# Altium PCB MODULE_4x100_Fx_V1.0.PcbDoc (part 1 of 3) (continued)
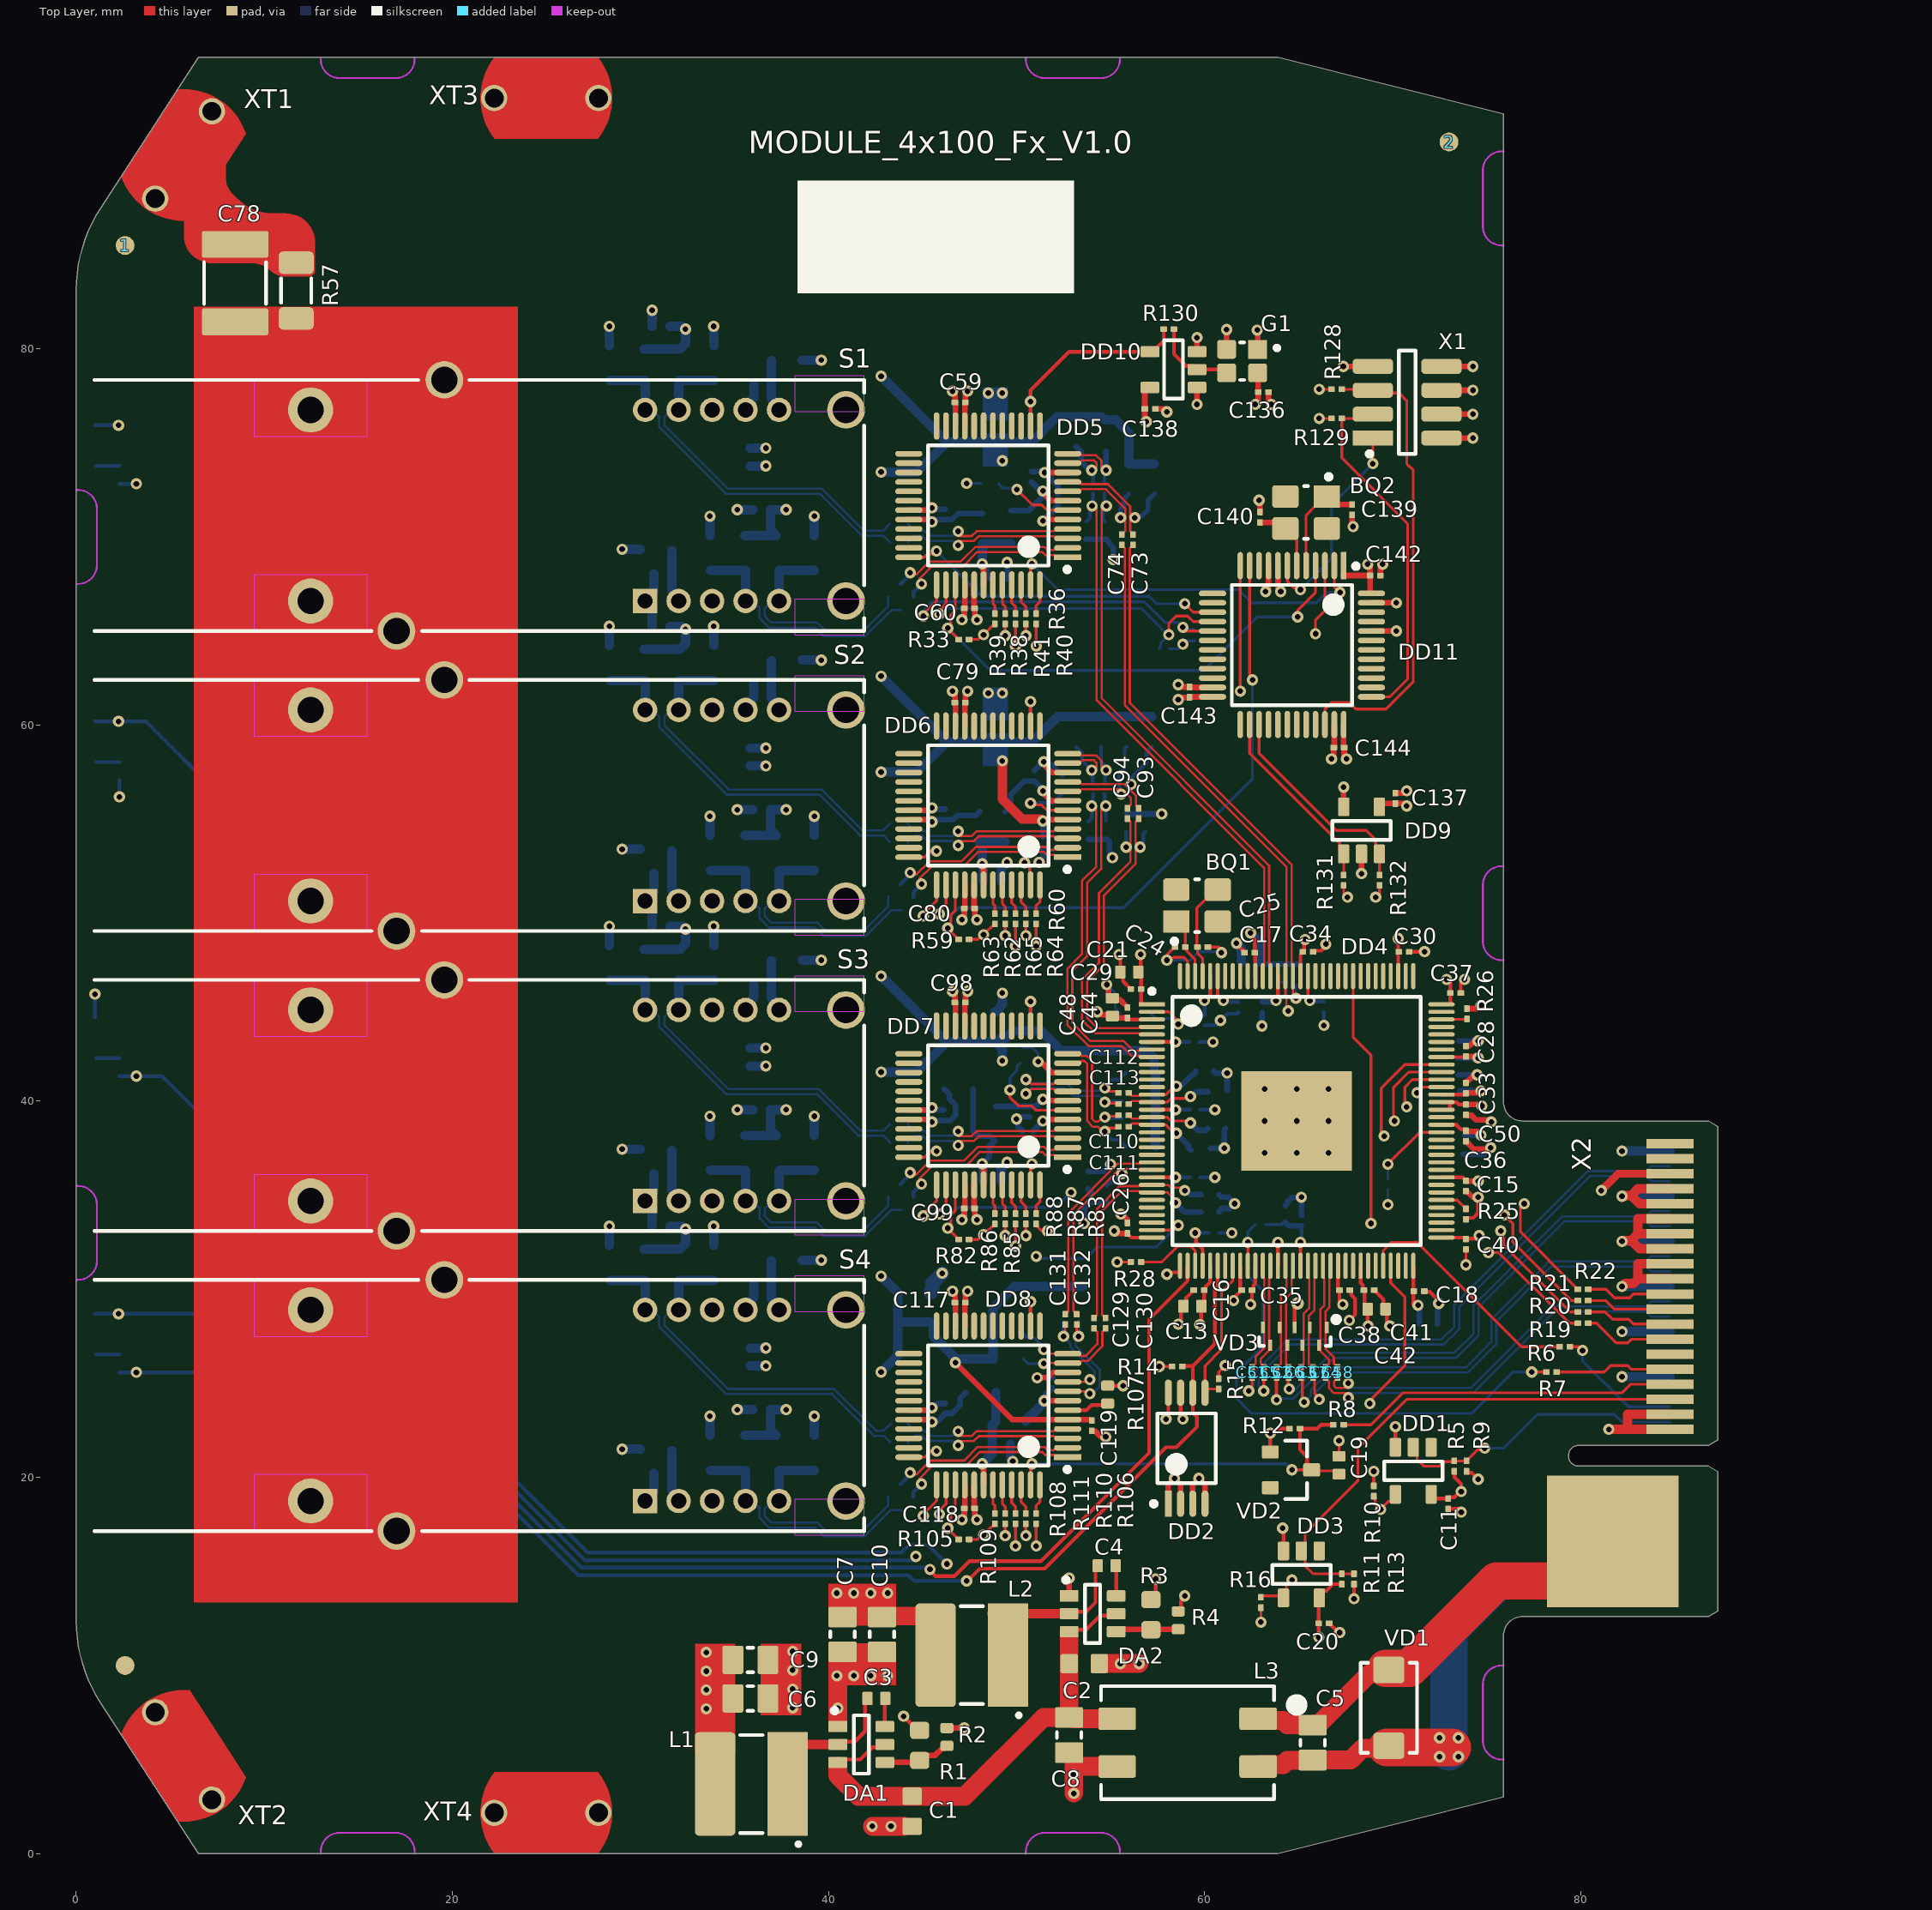
[diagram p0: Top Layer view]
## Components (designator, comment, footprint, x,y, rotation, side; value= is the part's Value field where it differs from the comment) (continued)
C71 "0,1 мкФ" CAP0201(0603x03)N 54.68,72.6 r90 bottom
C72 "0,1 мкФ" CAP0201(0603x03)N 54.08,72.6 r90 bottom
C73 "0,1 мкФ" CAP0201(0603x03)N 56.2,69.85 r90 top
C74 "0,1 мкФ" CAP0201(0603x03)N 55.6,69.85 r90 top
C75 "2,2 мкФ" CAP0402(1005x05)N 35.85,74.25 r90 bottom
C76 "0,1 мкФ" CAP0402(1005x05)N 31.2,68.05 r180 bottom
C77 "0,1 мкФ" CAP0402(1005x05)N 36.5,78.1 r0 bottom
C78 "2200 пФ 4 кВ" CAP1812(4532x25)N 8.45,83.5 r90 top
C79 "0,1 мкФ" CAP0201(0603x03)N 47,61.2 r180 top
C80 "0,1 мкФ" CAP0201(0603x03)N 47.5,50.25 r180 top
C81 "0,1 мкФ" CAP0201(0603x03)N 51.4,53.75 r90 bottom
C82 "0,1 мкФ" CAP0402(1005x05)N 43.75,54.75 r0 bottom
C83 "0,1 мкФ" CAP0402(1005x05)N 43.75,53.75 r0 bottom
C84 "0,1 мкФ" CAP0402(1005x05)N 43.509,51.209 r45 bottom
C85 "0,1 мкФ" CAP0402(1005x05)N 44.216,50.501 r45 bottom
C86 "0,1 мкФ" CAP0402(1005x05)N 36.45,55.5 r180 bottom
C87 "0,1 мкФ" CAP0402(1005x05)N 31.1,65.25 r180 bottom
C88 "0,1 мкФ" CAP0201(0603x03)N 50.95,57.3 r90 bottom
C89 "0,1 мкФ" CAP0201(0603x03)N 46.2,55.25 r90 bottom
C90 "10 мкФ" CAP0402(1005x05)N 48.7,51.7 r180 bottom
C91 "0,1 мкФ" CAP0201(0603x03)N 54.68,56.7 r90 bottom
C92 "0,1 мкФ" CAP0201(0603x03)N 54.08,56.7 r90 bottom
C93 "0,1 мкФ" CAP0201(0603x03)N 56.5,55.3 r90 top
C94 "0,1 мкФ" CAP0201(0603x03)N 55.9,55.3 r90 top
C95 "2,2 мкФ" CAP0402(1005x05)N 35.85,58.3 r90 bottom
C96 "0,1 мкФ" CAP0402(1005x05)N 31.2,52.1 r180 bottom
C97 "0,1 мкФ" CAP0402(1005x05)N 36.5,62.15 r0 bottom
C98 "0,1 мкФ" CAP0201(0603x03)N 47,45.25 r180 top
C99 "0,1 мкФ" CAP0201(0603x03)N 47.5,34.3 r180 top
C100 "0,1 мкФ" CAP0201(0603x03)N 50.6,38.4 r0 bottom
C101 "0,1 мкФ" CAP0402(1005x05)N 43.75,38.8 r0 bottom
C102 "0,1 мкФ" CAP0402(1005x05)N 43.75,37.8 r0 bottom
C103 "0,1 мкФ" CAP0402(1005x05)N 43.509,35.259 r45 bottom
C104 "0,1 мкФ" CAP0402(1005x05)N 44.216,34.551 r45 bottom
C105 "0,1 мкФ" CAP0402(1005x05)N 36.45,39.55 r180 bottom
C106 "0,1 мкФ" CAP0402(1005x05)N 31.1,49.3 r180 bottom
C107 "0,1 мкФ" CAP0201(0603x03)N 50.7,39.45 r270 bottom
C108 "0,1 мкФ" CAP0201(0603x03)N 46.15,39.25 r90 bottom
C109 "10 мкФ" CAP0402(1005x05)N 48.7,35.8 r180 bottom
C110 "0,1 мкФ" CAP0201(0603x03)N 55.7,39.25 r180 top
C111 "0,1 мкФ" CAP0201(0603x03)N 55.7,38.65 r180 top
C112 "0,1 мкФ" CAP0201(0603x03)N 55.7,40.45 r180 top
C113 "0,1 мкФ" CAP0201(0603x03)N 55.7,39.85 r180 top
C114 "2,2 мкФ" CAP0402(1005x05)N 35.85,42.35 r90 bottom
C115 "0,1 мкФ" CAP0402(1005x05)N 31.2,36.15 r180 bottom
C116 "0,1 мкФ" CAP0402(1005x05)N 36.5,46.2 r0 bottom
C117 "0,1 мкФ" CAP0201(0603x03)N 47,29.3 r180 top
C118 "0,1 мкФ" CAP0201(0603x03)N 47.5,18.35 r180 top
C119 "0,1 мкФ" CAP0201(0603x03)N 54,22.75 r90 top
C120 "0,1 мкФ" CAP0402(1005x05)N 43.75,22.85 r0 bottom
C121 "0,1 мкФ" CAP0402(1005x05)N 43.75,21.85 r0 bottom
C122 "0,1 мкФ" CAP0402(1005x05)N 43.509,19.309 r45 bottom
C123 "0,1 мкФ" CAP0402(1005x05)N 44.216,18.601 r45 bottom
C124 "0,1 мкФ" CAP0402(1005x05)N 31.1,33.35 r180 bottom
C125 "0,1 мкФ" CAP0402(1005x05)N 36.45,23.6 r180 bottom
C126 "0,1 мкФ" CAP0201(0603x03)N 51.9,25.025 r90 bottom
C127 "0,1 мкФ" CAP0201(0603x03)N 46.2,23.65 r90 bottom
C128 "10 мкФ" CAP0402(1005x05)N 49.2,21.75 r180 bottom
C129 "0,1 мкФ" CAP0201(0603x03)N 54.13,28.2 r270 top
C130 "0,1 мкФ" CAP0201(0603x03)N 54.73,28.2 r270 top
C131 "0,1 мкФ" CAP0201(0603x03)N 52.6,28.4 r270 top
C132 "0,1 мкФ" CAP0201(0603x03)N 53.2,28.4 r270 top
C133 "2,2 мкФ" CAP0402(1005x05)N 35.85,26.4 r90 bottom
C134 "0,1 мкФ" CAP0402(1005x05)N 31.2,20.2 r180 bottom
C135 "0,1 мкФ" CAP0402(1005x05)N 36.5,30.25 r0 bottom
C136 "0,1 мкФ" CAP0201(0603x03)N 63.125,77.7 r180 top
C137 "0,1 мкФ" CAP0201(0603x03)N 70.15,56.1 r270 top
C138 "0,1 мкФ" CAP0201(0603x03)N 57.1,76.8 r180 top
C139 "22 пФ" CAP0201(0603x03)N 67.85,71.45 r90 top
C140 "22 пФ" CAP0201(0603x03)N 62.95,71.05 r270 top
C141 "0,1 мкФ" CAP0201(0603x03)N 63.65,67.8 r180 bottom
C142 "0,1 мкФ" CAP0201(0603x03)N 69.075,67.95 r180 top
C143 "0,1 мкФ" CAP0201(0603x03)N 59.2,61.75 r270 top
C144 "0,1 мкФ" CAP0201(0603x03)N 67.15,58.8 r0 top
DA1 "TPS563209DDC" SOT23-6 41.75,5.8 r0 top
DA2 "TPS563209DDC" SOT23-6 54.05,12.75 r0 top
DD1 "SN74LVC1G07DBV" SOT23-5 71.1,20.35 r270 top
DD2 "M24C64-WDW" TSSOP-8 59.05,21.55 r90 top
DD3 "SN74LVC1G07DBV" SOT23-5 65.15,14.84 r270 top
DD4 "88E6240" TQFP-128-0,4e_5,89x5,31mm-EP 64.9,38.95 r0 top locked
DD5 "KSZ8863FLLI" LQFP-48 48.5,71.675 r180 top locked
DD6 "KSZ8863FLLI" LQFP-48 48.5,55.725 r180 top locked
DD7 "KSZ8863FLLI" LQFP-48 48.5,39.775 r180 top locked
DD8 "KSZ8863FLLI" LQFP-48 48.5,23.825 r180 top locked
DD9 "24AA64T-I/OT" "SOT23-5 (2,9x2,8x1,45)" 68.35,54.4 r90 top
DD10 "SN74LVC1G126DBVR" "SOT23-5 (2,9x2,8x1,45)" 58.35,78.9 r180 top
DD11 "STM32F070CBT6" LQFP-48 64.65,64.25 r270 top locked
G1 "25 МГц" NZ2520S 62,79.35 r180 top
HL1 "KPA-2106CGCK (зелёный)" 2110x0,6-SMD-LED-GN 1,74.887 r270 bottom locked
HL2 "KPA-2106CGCK (зелёный)" 2110x0,6-SMD-LED-GN 1,59.147 r270 bottom locked
HL3 "KPA-2106CGCK (зелёный)" 2110x0,6-SMD-LED-GN 1,43.397 r270 bottom locked
HL4 "KPA-2106CGCK (зелёный)" 2110x0,6-SMD-LED-GN 1,27.647 r270 bottom locked
L1 "3,3 мкГн" WE-PD2-5848 35.9,3.7 r180 top
L2 "3,3 мкГн" WE-PD2-5848 47.625,10.55 r180 top
L3 "WE-SL2 744226" WE-SL2 59.1,5.9 r180 top
L4 "WE-CBF 742792625" EMI0603N 48.85,75.85 r90 bottom value=BLM18PG121SN1D
L5 "WE-CBF 742792625" EMI0603N 48.2,70.45 r270 bottom value=BLM18PG121SN1D
L6 "WE-CBF 742792625" EMI0603N 49.7,70.45 r270 bottom value=BLM18PG121SN1D
L7 "WE-CBF 742792625" EMI0603N 30.8,69.35 r180 bottom value=BLM18PG121SN1D
L8 "WE-CBF 742792625" EMI0603N 37.8,79.4 r0 bottom value=BLM18PG121SN1D
L9 "WE-CBF 742792625" EMI0603N 48.85,59.9 r90 bottom value=BLM18PG121SN1D
L10 "WE-CBF 742792625" EMI0603N 48.05,54.6 r270 bottom value=BLM18PG121SN1D
L11 "WE-CBF 742792625" EMI0603N 49.4,54.6 r270 bottom value=BLM18PG121SN1D
L12 "WE-CBF 742792625" EMI0603N 30.8,53.4 r180 bottom value=BLM18PG121SN1D
L13 "WE-CBF 742792625" EMI0603N 37.8,63.45 r0 bottom value=BLM18PG121SN1D
L14 "WE-CBF 742792625" EMI0603N 48.85,43.95 r90 bottom value=BLM18PG121SN1D
L15 "WE-CBF 742792625" EMI0603N 46.95,40.65 r0 bottom value=BLM18PG121SN1D
L16 "WE-CBF 742792625" EMI0603N 48.85,38.7 r270 bottom value=BLM18PG121SN1D
L17 "WE-CBF 742792625" EMI0603N 30.8,37.45 r180 bottom value=BLM18PG121SN1D
L18 "WE-CBF 742792625" EMI0603N 37.8,47.5 r0 bottom value=BLM18PG121SN1D
L19 "WE-CBF 742792625" EMI0603N 45.4,29.05 r90 bottom value=BLM18PG121SN1D
L20 "WE-CBF 742792625" EMI0603N 48.1,24.5 r0 bottom value=BLM18PG121SN1D
L21 "WE-CBF 742792625" EMI0603N 49.7,23 r180 bottom value=BLM18PG121SN1D
L22 "WE-CBF 742792625" EMI0603N 30.8,21.5 r180 bottom value=BLM18PG121SN1D
L23 "WE-CBF 742792625" EMI0603N 37.8,31.55 r0 bottom value=BLM18PG121SN1D
R1 "33К2 1%" RES0603N 44.85,5.75 r90 top
R2 "10К 1%" RES0402N 46.3,6.2 r90 top
R3 "13К7 1%" RES0603N 57.15,12.7 r90 top
R4 "10К 1%" RES0402N 58.6,12.4 r90 top
R5 "1K" RES0201N 73.28,20.6 r270 top
R6 "10" RES0201N 79.15,26.95 r0 top
R7 "10" RES0201N 78.45,25.6 r0 top
R8 "10" RES0201N 67.125,22.8 r0 top
R9 "1K" RES0201N 73.93,20.6 r270 top
R10 "1K" RES0201N 69,19.275 r90 top
R11 "1K" RES0201N 67.3,14.6 r270 top
R12 "1K" RES0201N 64.8,22.6 r180 top
R13 "1K" RES0201N 67.95,14.6 r270 top
R14 "4К7" RES0201N 58.55,25.9 r180 top
R15 "4К7" RES0201N 60.75,24.975 r90 top
R16 "1K" RES0201N 63,13.35 r270 top
R17 "4К7" RES0201N 60.5,33 r180 bottom
R18 "4К7" RES0201N 62.975,33.45 r0 bottom
R19 "33" RES0201N 80.125,28.2 r180 top
R20 "33" RES0201N 80.125,28.8 r180 top
R21 "33" RES0201N 80.125,29.4 r180 top
R22 "4x33" RES0201N 80.125,30 r180 top
R23 "10" RES0201N 69.75,35.6 r270 bottom
R24 "10" RES0201N 66.35,45.03 r270 bottom
R25 "4К7" RES0201N 73.9,34 r90 top
R26 "4К7" RES0201N 73.95,44.65 r270 top
R27 "4К99 1%" RES0603N 56.35,44.65 r0 bottom
R28 "4К7" RES0201N 56.35,31.45 r180 top
R29 "330" RES0402N 2.3,73.3 r90 bottom
R30 "330" RES0402N 2.3,57.56 r90 bottom
R31 "330" RES0402N 2.3,41.81 r90 bottom
R32 "330" RES0402N 2.3,26.06 r90 bottom
R33 "1K" RES0201N 47.2,64.55 r180 top
R34 "1K" RES0201N 57.85,64.05 r180 bottom
R35 "1K" RES0201N 59.5,64.75 r90 bottom
R36 "4K7" RES0201N 51.05,65.65 r90 top
R37 "11К8 1%" RES0402N 48.6,72.85 r180 bottom
R38 "4K7" RES0201N 49.4,65.65 r90 top
R39 "4K7" RES0201N 48.85,65.65 r90 top
R40 "4K7" RES0201N 50.5,65.65 r90 top
R41 "4K7" RES0201N 49.95,65.65 r90 top
R42 "49,9 Ом 1%" RES0603N 55.976,73.09 r90 bottom
R43 "130 Ом" RES0805N 30.2,79.05 r90 bottom
R44 "82 Ом" RES0805N 28.35,79.25 r270 bottom
R45 "130 Ом" RES0805N 35.55,69.15 r90 bottom
R46 "82 Ом" RES0805N 33.7,69.15 r270 bottom
R47 "49,9 Ом 1%" RES0603N 57.326,73.09 r90 bottom
R48 "130 Ом" RES0805N 32.05,79.05 r90 bottom
R49 "82 Ом" RES0805N 33.9,79.25 r270 bottom
R50 "130 Ом" RES0805N 37.4,69.15 r90 bottom
R51 "82 Ом" RES0805N 39.25,69.15 r270 bottom
R52 "49,9 Ом 1%" RES0603N 53.176,75.59 r90 bottom
R53 "49,9 Ом 1%" RES0603N 54.526,75.59 r90 bottom
R54 "49,9 Ом 1%" RES0402N 64.1,46.8 r270 bottom
R55 "49,9 Ом 1%" RES0402N 65.1,46.8 r270 bottom
R56 "49,9 Ом 1%" RES0402N 53.7,70.35 r90 bottom
R57 "9,1 МОм" RES1206N 11.7,83.1 r270 top
R58 "49,9 Ом 1%" RES0402N 54.7,70.35 r90 bottom
R59 "1K" RES0201N 47.2,48.6 r180 top
R60 "4K7" RES0201N 51.05,49.7 r90 top
R61 "11К8 1%" RES0402N 52.45,56.85 r90 bottom
R62 "4K7" RES0201N 49.4,49.7 r90 top
R63 "4K7" RES0201N 48.85,49.7 r90 top
R64 "4K7" RES0201N 50.5,49.7 r90 top
R65 "4K7" RES0201N 49.95,49.7 r90 top
R66 "49,9 Ом 1%" RES0603N 55.85,59.65 r90 bottom
R67 "130 Ом" RES0805N 30.2,63.1 r90 bottom
R68 "82 Ом" RES0805N 28.35,63.3 r270 bottom
R69 "130 Ом" RES0805N 35.55,53.2 r90 bottom
R70 "82 Ом" RES0805N 33.7,53.2 r270 bottom
R71 "49,9 Ом 1%" RES0603N 57.2,59.65 r90 bottom
R72 "130 Ом" RES0805N 32.05,63.1 r90 bottom
R73 "82 Ом" RES0805N 33.9,63.3 r270 bottom
R74 "130 Ом" RES0805N 37.4,53.2 r90 bottom
R75 "82 Ом" RES0805N 39.25,53.2 r270 bottom
R76 "49,9 Ом 1%" RES0603N 53.15,59.65 r90 bottom
R77 "49,9 Ом 1%" RES0603N 54.5,59.65 r90 bottom
R78 "49,9 Ом 1%" RES0402N 55.85,54.8 r270 bottom
R79 "49,9 Ом 1%" RES0402N 56.85,54.8 r270 bottom
R80 "49,9 Ом 1%" RES0402N 53.8,54.4 r90 bottom
R81 "49,9 Ом 1%" RES0402N 54.8,54.4 r90 bottom
R82 "1K" RES0201N 47.2,32.65 r180 top
R83 "4K7" RES0201N 51.05,33.75 r90 top
R84 "11К8 1%" RES0402N 50.3,42.5 r90 bottom
R85 "4K7" RES0201N 49.4,33.75 r90 top
R86 "4K7" RES0201N 48.85,33.75 r90 top
R87 "4K7" RES0201N 50.5,33.75 r90 top
R88 "4K7" RES0201N 49.95,33.75 r90 top
R89 "49,9 Ом 1%" RES0603N 56.6,40.2 r0 bottom
R90 "130 Ом" RES0805N 30.2,47.15 r90 bottom
R91 "82 Ом" RES0805N 28.35,47.35 r270 bottom
R92 "130 Ом" RES0805N 35.55,37.25 r90 bottom
R93 "82 Ом" RES0805N 33.7,37.25 r270 bottom
R94 "49,9 Ом 1%" RES0603N 56.6,41.5 r0 bottom
R95 "130 Ом" RES0805N 32.05,47.15 r90 bottom
R96 "82 Ом" RES0805N 33.9,47.35 r270 bottom
R97 "130 Ом" RES0805N 37.4,37.25 r90 bottom
R98 "82 Ом" RES0805N 39.25,37.25 r270 bottom
R99 "49,9 Ом 1%" RES0603N 56.6,37.6 r0 bottom
R100 "49,9 Ом 1%" RES0603N 56.6,38.9 r0 bottom
R101 "49,9 Ом 1%" RES0402N 60.65,40.5 r180 bottom
R102 "49,9 Ом 1%" RES0402N 60,41.6 r180 bottom
R103 "49,9 Ом 1%" RES0402N 59.75,37.4 r180 bottom
R104 "49,9 Ом 1%" RES0402N 60.65,38.55 r180 bottom
R105 "1K" RES0201N 47.2,16.7 r180 top
R106 "4K7" RES0201N 51.05,17.8 r90 top
R107 "11К8 1%" RES0402N 54.85,24.4 r90 top
R108 "4K7" RES0201N 49.4,17.8 r90 top
R109 "4K7" RES0201N 48.85,17.8 r90 top
R110 "4K7" RES0201N 50.5,17.8 r90 top
R111 "4K7" RES0201N 49.95,17.8 r90 top
R112 "49,9 Ом 1%" RES0603N 53.55,29.35 r90 bottom
R113 "130 Ом" RES0805N 30.2,31.2 r90 bottom
R114 "82 Ом" RES0805N 28.35,31.4 r270 bottom
R115 "130 Ом" RES0805N 35.55,21.3 r90 bottom
R116 "82 Ом" RES0805N 33.7,21.3 r270 bottom
R117 "49,9 Ом 1%" RES0603N 52.2,29.35 r90 bottom
R118 "130 Ом" RES0805N 32.05,31.2 r90 bottom
R119 "82 Ом" RES0805N 33.9,31.4 r270 bottom
R120 "130 Ом" RES0805N 37.4,21.3 r90 bottom
R121 "82 Ом" RES0805N 39.25,21.3 r270 bottom
R122 "49,9 Ом 1%" RES0603N 49.55,26.3 r180 bottom
R123 "49,9 Ом 1%" RES0603N 49.55,27.65 r180 bottom
R124 "49,9 Ом 1%" RES0402N 54.8,35.1 r90 bottom
R125 "49,9 Ом 1%" RES0402N 53.8,35.8 r90 bottom
R126 "49,9 Ом 1%" RES0402N 60.3,34.1 r180 bottom
R127 "49,9 Ом 1%" RES0402N 60.3,35.05 r180 bottom
R128 "4К7" RES0201N 67.025,77.85 r0 top
R129 "4К7" RES0201N 67.025,76.3 r0 top
R130 "0" RES0201N 58.1,81.05 r180 top
R131 "1К" RES0201N 67.4,51.75 r270 top
R132 "1К" RES0201N 69.3,51.75 r270 top
S1 "SFF transceiver" SFF-2x5 26.7,71.675 r270 top locked
S2 "SFF transceiver" SFF-2x5 26.7,55.725 r270 top locked
S3 "SFF transceiver" SFF-2x5 26.7,39.775 r270 top locked
S4 "SFF transceiver" SFF-2x5 26.7,23.825 r270 top locked
VD1 "SMAJ15CA" "DO-214AC (SMA) Non-Polar" 69.8,7.75 r90 top
VD2 "BAT54A" SOT23-3 64.596,20.4 r0 top
VD3 "WE-TVS 824014881" DFN3810-9L 64.8,27.5 r180 top locked
X1 "WR-PHD 62330821021" PBD1.27-8S 70.775,77.165 r90 top
X2 "EDGE AMPHENOL CE1204000110111" "EDGE AMPHENOL CE1204000110111" 79.9,21.15 r90 top locked
XT1 "WP-SMRA 7466313" 7466313 5.711,90.31 r57 top locked
XT2 "WP-SMRA 7466313" 7466313 5.711,5.19 r123 top locked
XT3 "WP-SMRA 7466313" 7466313 25,93.335 r0 top locked
XT4 "WP-SMRA 7466313" 7466313 25,2.165 r0 top locked
? "Comment" Fiducial 2.6,10 r0 top locked
? "Comment" TAB_d0,5_e0,75_q6_offset0,1_keepout 0,33 r90 top locked
? "Comment" TAB_d0,5_e0,75_q6_offset0,1_keepout 0,70 r90 top locked
? "Comment" TAB_d0,5_e0,75_q6_offset0,1_keepout 15.5,0 r180 top locked
? "Comment" TAB_d0,5_e0,75_q6_offset0,1_keepout 53,0 r180 top locked
? "Comment" TAB_d0,5_e0,75_q6_offset0,1_keepout 15.5,95.5 r0 top locked
? "Comment" TAB_d0,5_e0,75_q6_offset0,1_keepout 53,95.5 r0 top locked
? "Comment" TAB_d0,5_e0,75_q6_offset0,1_keepout 75.9,88 r270 top locked
? "Comment" TAB_d0,5_e0,75_q6_offset0,1_keepout 75.9,50 r270 top locked
? "Comment" TAB_d0,5_e0,75_q6_offset0,1_keepout 75.9,7.5 r270 top locked

## Footprints (in the part's own frame and the unit in brackets; to place one, negate y for a bottom-side part, rotate by r counter-clockwise, add the part's x,y. Pads: shape width x height; smd on the part's side, far side on the other; paste and mask are expansions set on the pad)
2110x0,6-SMD-LED-GN [mm]
  rrect20% 0.8x0.9 smd: A(1.05,0)
  rect 0.8x0.9 smd: C(-1.05,0)
  silkscreen extent -0.68,-0.2 0.68,0.9, body extent -1.08,-0.13 1.08,0.9, height 0.61
"3225 Crystal" [mm]
  rect 1.4x1.2 smd: 1(-1.1,-0.85)
  rrect25% 1.4x1.2 smd: 2(1.1,-0.85) 3(1.1,0.85) 4(-1.1,0.85)
  silkscreen extent -1.32,-2.02 0.1,1.4, body extent -1.6,-1.25 1.6,1.25, height 0.75
7466313 [mm]
  round 1.4 on Top Paste: 0(-2.77,0) 0(2.77,0)
  round 1.4 hole 1 mask+0: 1(-2.77,0) 1(2.77,0)
  Top Layer region: -2.75,2.165 -3.414,0.772 -3.414,-0.772 -2.75,-2.165 -2.75,-2.165 2.75,-2.165 3.414,-0.772 3.414,0.772 2.75,2.165 2.75,2.165
  body extent -3.5,-2.16 3.5,2.17, height 7.01
CAP0201(0603x03)N [mm] "Chip Capacitor, 2-Leads, Body 0,60x0,30mm, IPC Medium Density"
  rrect20% 0.35x0.3 smd paste-3 mask+0.05: 1(-0.275,0) 2(0.275,0)
  body extent -0.3,-0.15 0.3,0.15, height 0.31
CAP0402(1005x05)N [mm] "Chip Capacitor, 2-Leads, Body 1,00x0,50mm, IPC Medium Density"
  rrect20% 0.55x0.69 smd: 1(-0.475,0) 2(0.475,0)
  body extent -0.5,-0.25 0.5,0.25, height 0.51
CAP0603(1608x08)N [mm] "Chip Capacitor, 2-Leads, Body 1,60x0,80mm, IPC Medium Density"
  rrect20% 0.92x1.02 smd: 1(-0.8,0) 2(0.8,0)
  body extent -0.8,-0.4 0.8,0.4, height 0.81
CAP0805(2012x125)N [mm] "Chip Capacitor, 2-Leads, Body 2,00x1,25mm, IPC Medium Density"
  rrect15% 1.1x1.5 smd: 1(-0.93,0) 2(0.93,0)
  silkscreen extent -0.15,-0.65 0.15,0.65, body extent -1,-0.62 1,0.63, height 1.26
CAP1812(4532x25)N [mm] "Chip Capacitor, 2-Leads, Body 4,50x3,20mm, IPC Medium Density"
  rrect15% 1.42x3.54 smd: 1(-2.06,0) 2(2.06,0)
  silkscreen extent -1.1,-1.65 1.1,1.65, body extent -2.25,-1.6 2.25,1.6, height 2.51
DFN3810-9L [mm]
  rect 0.2x0.6 smd mask+0.07: 1(-1.7,-0.475) 2(-0.8,-0.475) 3(0,-0.475) 4(0.8,-0.475) 5(1.7,-0.475) 6(1.3,0.475) 7(0.4,0.475) 8(-0.4,0.475) 9(-1.3,0.475)
  silkscreen extent -2.3,-1 1.9,0.5, body extent -1.9,-0.5 1.9,0.5, height 0.55
"DO-214AC (SMA) Non-Polar" [mm]
  rrect25% 1.4x1.64 smd: 1(-2.015,0) 2(2.015,0)
  silkscreen extent -2.4,-1.5 2.4,1.5, body extent -2.8,-1.47 2.8,1.48, height 2.7
"EDGE AMPHENOL CE1204000110111" [mm]
  rect 0.5x2.5 smd paste-10 mask+0: 1(1.4,-4.85) 3(2.2,-4.85) 5(3,-4.85) 7(3.8,-4.85) 9(4.6,-4.85) 11(5.4,-4.85) 13(6.2,-4.85) 15(7,-4.85) 17(7.8,-4.85) 19(8.6,-4.85) 21(9.4,-4.85) 23(10.2,-4.85) 25(11,-4.85) 27(11.8,-4.85) 29(12.6,-4.85) 31(13.4,-4.85) 33(14.2,-4.85) 35(15,-4.85) 37(15.8,-4.85) 39(16.6,-4.85)
  rect 0.5x2.5 smd far side paste-10 mask+0: 2(1,-4.85) 4(1.8,-4.85) 6(2.6,-4.85) 8(3.4,-4.85) 10(4.2,-4.85) 12(5,-4.85) 14(5.8,-4.85) 16(6.6,-4.85) 18(7.4,-4.85) 20(8.2,-4.85) 22(9,-4.85) 24(9.8,-4.85) 26(10.6,-4.85) 28(11.4,-4.85) 30(12.2,-4.85) 32(13,-4.85) 34(13.8,-4.85) 36(14.6,-4.85) 38(15.4,-4.85) 40(16.2,-4.85)
  rect 7x7 smd paste-10 mask+0: P1(-4.55,-1.8)
  rect 7x7 smd far side paste-10 mask+0: P2(-4.55,-1.8)
  Top Layer region: -7.56,-16.51
EMI0603N [mm] "Chip EMI Filter, 2-Leads, Body 1,60x0,80mm, IPC Medium Density"
  rrect40% 0.92x1.02 smd: 1(-0.8,0) 2(0.8,0)
  silkscreen extent 0,-0.45 0,0.45, body extent -0.8,-0.4 0.8,0.4, height 1
Fiducial [mm]
  round 1 smd paste-5 mask+0.5: FM(0,0)
  Top Layer pour cut-out: 0,1.25 0.478,1.155 0.884,0.884 1.155,0.478 1.25,0 1.25,0 1.155,-0.478 0.884,-0.884 0.478,-1.155 0,-1.25 0,-1.25 -0.478,-1.155 -0.884,-0.884 -1.155,-0.478 -1.25,0 -1.25,0 -1.155,0.478 -0.884,0.884 -0.478,1.155 0,1.25
LQFP-48 [mm] "TSQFP, 48-Leads, Body 7,00x7,00mm, Pitch 0,50mm, IPC Medium Density"
  rect 1.45x0.3 smd mask+0.05: 1(-4.225,2.75)
  oval 1.45x0.3 smd mask+0.05: 2(-4.225,2.25) 3(-4.225,1.75) 4(-4.225,1.25) 5(-4.225,0.75) 6(-4.225,0.25) 7(-4.225,-0.25) 8(-4.225,-0.75) 9(-4.225,-1.25) 10(-4.225,-1.75) 11(-4.225,-2.25) 12(-4.225,-2.75) 25(4.225,-2.75) 26(4.225,-2.25) 27(4.225,-1.75) 28(4.225,-1.25) 29(4.225,-0.75) 30(4.225,-0.25) 31(4.225,0.25) 32(4.225,0.75) 33(4.225,1.25) 34(4.225,1.75) 35(4.225,2.25) 36(4.225,2.75)
  oval 0.3x1.45 smd mask+0.05: 13(-2.75,-4.225) 14(-2.25,-4.225) 15(-1.75,-4.225) 16(-1.25,-4.225) 17(-0.75,-4.225) 18(-0.25,-4.225) 19(0.25,-4.225) 20(0.75,-4.225) 21(1.25,-4.225) 22(1.75,-4.225) 23(2.25,-4.225) 24(2.75,-4.225) 37(2.75,4.225) 38(2.25,4.225) 39(1.75,4.225) 40(1.25,4.225) 41(0.75,4.225) 42(0.25,4.225) 43(-0.25,4.225) 44(-0.75,4.225) 45(-1.25,4.225) 46(-1.75,4.225) 47(-2.25,4.225) 48(-2.75,4.225)
  silkscreen extent -4.33,-3.2 3.2,3.52, body extent -4.5,-4.5 4.5,4.5, height 1.6
NZ2520S [mm]
  rect 1x1 smd mask+0.05: 1(-0.825,-0.625)
  rrect25% 1x1 smd mask+0.05: 2(0.825,-0.625) 3(0.825,0.625) 4(-0.825,0.625)
  silkscreen extent -1.95,-1 0.1,1, body extent -1.25,-1 1.25,1, height 0.91
PBD1.27-8S [mm] "DS1065-05, Wurth 62330821021"
  rect 0.8x2.15 smd: 1(-1.905,1.825)
  rrect50% 0.8x2.15 smd: 2(-1.905,-1.825) 3(-0.635,1.825) 4(-0.635,-1.825) 5(0.635,1.825) 6(0.635,-1.825) 7(1.905,1.825) 8(1.905,-1.825)
  silkscreen extent -2.85,-0.45 2.75,2.1, body extent -2.74,-2.3 2.74,2.3, height 4.61
RES0201N [mm] "Chip Resistor, 2-Leads, Body 0,60x0,30mm, IPC Medium Density"
  rrect20% 0.35x0.3 smd paste-3 mask+0.05: 1(-0.275,0) 2(0.275,0)
  Top Layer region: -0.49,0.175
  body extent -0.31,-0.17 0.32,0.16, height 0.28
RES0402N [mm] "Chip Resistor, 2-Leads, Body 1,00x0,50mm, IPC Medium Density"
  rrect40% 0.55x0.69 smd: 1(-0.475,0) 2(0.475,0)
  body extent -0.57,-0.27 0.58,0.28, height 0.4
RES0603N [mm] "Chip Resistor, 2-Leads, Body 1,60x0,80mm, IPC Medium Density"
  rrect40% 0.92x1.02 smd: 1(-0.8,0) 2(0.8,0)
  body extent -0.85,-0.4 0.85,0.4, height 0.56
RES0805N [mm] "Chip Resistor, 2-Leads, Body 2,00x1,25mm, IPC Medium Density"
  rrect40% 1.1x1.5 smd: 1(-0.93,0) 2(0.93,0)
  silkscreen extent -0.15,-0.65 0.15,0.65, body extent -1.15,-0.67 1.15,0.68, height 0.76
RES1206N [mm] "Chip Resistor, 2-Leads, Body 3,20x1,60mm, IPC Medium Density"
  rrect40% 1.2x1.86 smd: 1(-1.48,0) 2(1.48,0)
  silkscreen extent -0.65,-0.8 0.65,0.8, body extent -1.67,-0.86 1.68,0.87, height 0.85
SFF-2x5 [mm]
  rect 1.3x1.3 hole 0.81: 1(5.08,3.555)
  round 1.3 hole 0.81: 2(5.08,5.335) 3(5.08,7.115) 4(5.08,8.895) 5(5.08,10.675) 6(-5.08,10.675) 7(-5.08,8.895) 8(-5.08,7.115) 9(-5.08,5.335) 10(-5.08,3.555)
  round 2 hole 1.4: SH(-6.675,-7.125) SH(-5.08,14.235) SH(5.08,14.235) SH(6.675,-9.665)
  round 2.4 hole 1.4: SH(-5.08,-14.235) SH(5.08,-14.235)
  Top Layer keep-out region: -5,15.195 -6.88,15.195 -6.88,11.515 -5,11.515
  Top Layer keep-out region: 5,11.515 6.879,11.515 6.879,15.195 5,15.195
  Top Layer keep-out region: -3.68,-11.235 -6.68,-11.235 -6.68,-17.235 -3.68,-17.235
  Top Layer keep-out region: 3.68,-17.235 6.68,-17.235 6.68,-11.235 3.68,-11.235
  silkscreen extent -6.68,-25.73 6.68,15.2, body extent -6.7,-44.5 6.7,15.2, height 9.81
SOT23-3 [mm] "SOT23, TO-236, 3-Leads, Body 2,95x2,45mm, Pitch 0,95mm, IPC Medium Density"
  rrect25% 0.9x0.7 smd: 1(-1.1,0.95) 2(-1.1,-0.95) 3(1.1,0)
  silkscreen extent -0.3,-1.55 0.85,1.55, body extent -1.4,-1.45 1.4,1.45, height 1.2
SOT23-5 [mm] "SOT23, 5-Leads, Body 2,90x2,70mm, Pitch 0,95mm, IPC Medium Density"
  rrect25% 1x0.6 smd: 1(-1.25,0.95) 2(-1.25,0) 3(-1.25,-0.95) 4(1.25,-0.95) 5(1.25,0.95)
  silkscreen extent -0.5,-1.55 0.5,1.55, body extent -1.4,-1.45 1.4,1.45, height 1.45
"SOT23-5 (2,9x2,8x1,45)" [mm] "SOT23, 5-Leads, Body 2,90x2,80mm, Pitch 0,95mm, IPC Medium Density"
  rrect25% 1x0.6 smd: 1(-1.25,0.95) 2(-1.25,0) 3(-1.25,-0.95) 4(1.25,-0.95) 5(1.25,0.95)
  silkscreen extent -0.5,-1.55 0.5,1.55, body extent -1.4,-1.45 1.4,1.45, height 1.45
SOT23-6 [mm] "SOT23, 6-Leads, Body 2,90x2,70mm, Pitch 0,95mm, IPC Medium Density"
  rect 1x0.6 smd: 1(-1.25,0.95)
  rrect25% 1x0.6 smd: 2(-1.25,0) 3(-1.25,-0.95) 4(1.25,-0.95) 5(1.25,0) 6(1.25,0.95)
  silkscreen extent -1.55,-1.55 0.4,1.92, body extent -1.4,-1.45 1.4,1.45, height 1.45
TAB_d0,5_e0,75_q6_offset0,1_keepout [mm]
  Keep-Out Layer lines w0.1: -2.5,0 -2.5,-0.102 ; 2.5,0 2.5,-0.102 ; -2.5,-0.1 ccw(c-1.5,-0.1) -1.5,-1.1 1.5,-1.1 ccw(c1.5,-0.1) 2.5,-0.1
TQFP-128-0,4e_5,89x5,31mm-EP [mm] "TQFP, 128-Leads, Body 14,00x14,00mm, Pitch 0,40mm, Thermal Pad 5,89x5,31mm, IPC Medium Density"
  rect 1.4x0.22 smd mask+0.05: 1(-7.7,6.2)
  oval 1.4x0.22 smd mask+0.05: 2(-7.7,5.8) 3(-7.7,5.4) 4(-7.7,5) 5(-7.7,4.6) 6(-7.7,4.2) 7(-7.7,3.8) 8(-7.7,3.4) 9(-7.7,3) 10(-7.7,2.6) 11(-7.7,2.2) 12(-7.7,1.8) 13(-7.7,1.4) 14(-7.7,1) 15(-7.7,0.6) 16(-7.7,0.2) 17(-7.7,-0.2) 18(-7.7,-0.6) 19(-7.7,-1) 20(-7.7,-1.4) 21(-7.7,-1.8) 22(-7.7,-2.2) 23(-7.7,-2.6) 24(-7.7,-3) 25(-7.7,-3.4) 26(-7.7,-3.8) 27(-7.7,-4.2) 28(-7.7,-4.6) 29(-7.7,-5) 30(-7.7,-5.4) 31(-7.7,-5.8) 32(-7.7,-6.2) 65(7.7,-6.2) 66(7.7,-5.8) 67(7.7,-5.4) 68(7.7,-5) 69(7.7,-4.6) 70(7.7,-4.2) 71(7.7,-3.8) 72(7.7,-3.4) 73(7.7,-3) 74(7.7,-2.6) 75(7.7,-2.2) 76(7.7,-1.8) 77(7.7,-1.4) 78(7.7,-1) 79(7.7,-0.6) 80(7.7,-0.2) 81(7.7,0.2) 82(7.7,0.6) 83(7.7,1) 84(7.7,1.4) 85(7.7,1.8) 86(7.7,2.2) 87(7.7,2.6) 88(7.7,3) 89(7.7,3.4) 90(7.7,3.8) 91(7.7,4.2) 92(7.7,4.6) 93(7.7,5) 94(7.7,5.4) 95(7.7,5.8) 96(7.7,6.2)
  oval 0.22x1.4 smd mask+0.05: 33(-6.2,-7.7) 34(-5.8,-7.7) 35(-5.4,-7.7) 36(-5,-7.7) 37(-4.6,-7.7) 38(-4.2,-7.7) 39(-3.8,-7.7) 40(-3.4,-7.7) 41(-3,-7.7) 42(-2.6,-7.7) 43(-2.2,-7.7) 44(-1.8,-7.7) 45(-1.4,-7.7) 46(-1,-7.7) 47(-0.6,-7.7) 48(-0.2,-7.7) 49(0.2,-7.7) 50(0.6,-7.7) 51(1,-7.7) 52(1.4,-7.7) 53(1.8,-7.7) 54(2.2,-7.7) 55(2.6,-7.7) 56(3,-7.7) 57(3.4,-7.7) 58(3.8,-7.7) 59(4.2,-7.7) 60(4.6,-7.7) 61(5,-7.7) 62(5.4,-7.7) 63(5.8,-7.7) 64(6.2,-7.7) 97(6.2,7.7) 98(5.8,7.7) 99(5.4,7.7) 100(5,7.7) 101(4.6,7.7) 102(4.2,7.7) 103(3.8,7.7) 104(3.4,7.7) 105(3,7.7) 106(2.6,7.7) 107(2.2,7.7) 108(1.8,7.7) 109(1.4,7.7) 110(1,7.7) 111(0.6,7.7) 112(0.2,7.7) 113(-0.2,7.7) 114(-0.6,7.7) 115(-1,7.7) 116(-1.4,7.7) 117(-1.8,7.7) 118(-2.2,7.7) 119(-2.6,7.7) 120(-3,7.7) 121(-3.4,7.7) 122(-3.8,7.7) 123(-4.2,7.7) 124(-4.6,7.7) 125(-5,7.7) 126(-5.4,7.7) 127(-5.8,7.7) 128(-6.2,7.7)
  rect 5.89x5.31 smd paste-10: EP(0,0)
  silkscreen extent -7.82,-6.6 6.6,7.02, body extent -8,-8 8,8, height 1.2
TSSOP-8 [mm] "TSOP, 8-Leads, Body 3,00x4,40mm, Pitch 0,65mm, IPC Medium Density"
  rect 1.4x0.38 smd mask+0.07: 1(-2.95,0.975)
  oval 1.4x0.38 smd mask+0.07: 2(-2.95,0.325) 3(-2.95,-0.325) 4(-2.95,-0.975) 5(2.95,-0.975) 6(2.95,-0.325) 7(2.95,0.325) 8(2.95,0.975)
  silkscreen extent -3.07,-1.55 1.85,1.87, body extent -3.23,-1.5 3.23,1.5, height 1.2
WE-PD2-5848 [mm]
  rect 2.15x5.5 smd: 1(-1.925,0)
  rrect20% 2.15x5.5 smd: 2(1.925,0)
  silkscreen extent -2.6,-2.6 0.6,3.3, body extent -2.9,-2.6 2.9,2.6, height 4.85
WE-SL2 [mm]
  rrect20% 2x1.2 smd: 1(-3.75,1.27) 2(-3.75,-1.27) 3(3.75,-1.27) 4(3.75,1.27)
  silkscreen extent -6,-3 4.6,3, body extent -4.6,-3 4.6,3, height 5.3

## Part data
BQ1: library part SMD3225, "Кварцевый резонатор DSX321G 25 MHz 12 pF -40+85C", Type="SMD3225 24.000 MHz"
BQ2: library part DSX321G, "Кварцевый резонатор DSX321G 12 MHz -40+85C"
C1 C2: library part C0603, "Чип-конденсатор 10 мкФ 16 В 0603", Type="Чип-конденсатор 0603"
C3 C4: library part C0402, "Чип-конденсатор 0,1 мкФ 16 В 0402", Type="Чип-конденсатор 0402"
C5 C8: library part C0805, "Чип-конденсатор 0,1 мкФ  100 В 0805", Type="Чип-конденсатор 0805"
C6 C7 C9 C10: library part C0805, "Чип-конденсатор 22 мкФ 25 В 0805", Type="Чип-конденсатор 0805"
C11 C15 C16 C17 C18 C20 C26 C27 C28 C29 C30 C33 C34 C35 C36 C37 C38 C39 C40 C41 C43 C44 C45 C46 C47 C49 C50 C51 C52 C53 C54 C55 C56 C57 C58 C59 C60 C61 C68 C69 C71 C72 C73 C74 C79 C80 C81 C88 C89 C91 C92 C93 C94 C98 C99 C100 C107 C108 C110 C111 C112 C113 C117 C118 C119 C126 C127 C129 C130 C131 C132 C136 C137 C138 C141 C142 C143 C144: library part C0201, "Чип-конденсатор 0,1 мкФ 10 В 0201", Type="Чип-конденсатор 0201"
C12 C13 C14 C21 C22 C23 C31 C32 C42 C48 C70 C90 C109 C128: library part C0402, "Чип-конденсатор 10 мкФ 6,3 В 0402", Type="Чип-конденсатор 0402"
C19: library part C0402, "Чип-конденсатор 470 пФ ±20% 0402", Type="Чип-конденсатор 0402"
C24 C25 C139 C140: library part C0201, "Чип-конденсатор 22 пФ 25 В 0201", Type="Чип-конденсатор 0201"
C62 C63 C64 C65 C66 C67 C76 C77 C82 C83 C84 C85 C86 C87 C96 C97 C101 C102 C103 C104 C105 C106 C115 C116 C120 C121 C122 C123 C124 C125 C134 C135: library part C0402, "Чип-конденсатор 0,1 мкФ ±20% 16 В X7R 0402", Type="Чип-конденсатор 0402"
C75 C95 C114 C133: library part C0402, "Чип-конденсатор 2,2 мкФ ±20% 16 В X5R 0402", Type="Чип-конденсатор 0402"
C78: library part C1812, "Чип-конденсатор 2200 пФ 4 кВ 1812", Type="Чип-конденсатор 0402"
DA1 DA2: library part TPS562209, "DC/DC-контроллер TPS563209DDC SOT-23-6"
DD1 DD3: "Буфер логический OD SN74LVC1G07DBV SOT23-5 TI"
DD2: "Память EEPROM M24C64-WDW I2C 64 Кбит TTSOP-8"
DD4: "Ethernet switch 88E6240-A1-TFJ2I000 Marvell"
DD5 DD6 DD7 DD8: "Микросхема KSZ8863FLLI", Manufacture="Microchip Technology", Function="Integrated 3-Port 10/100 Managed Switch: one 100BASE-FX, one 10/100BASE-T/TX transceivers, and one MII interfa"
DD9: "Память EEPROM I2C 64 Кбит 24AA64T-I/OT SOT-23-5"
DD10: "Микросхема SN74LVC1G126DBVR SOT-23-5"
DD11: "Микроконтроллер STM32F070CBT6 LQFP-48"
G1: library part NZ2520SD, "Кварцевый генератор 25 МГц 3,3 В NZ2520SD-25.0MHz-NSA3449E"
HL1 HL2 HL3 HL4: library part 12-21, "Светодиод KPA-2106CGCK зелёный Kingbright"
L1 L2: library part WURTH_744774033, "Дроссель 744774033 3,3 мкГн 4 А Wurth Elektronik", Type="Дроссель SDR0403"
L3: library part "WE-SL2 744224", "Линейный фильтр WE-SL2 744226 Wurth Elektronik"
L4 L5 L6 L7 L8 L9 L10 L11 L12 L13 L14 L15 L16 L17 L18 L19 L20 L21 L22 L23: library part BLM18PG121SN1D, "Фильтр индуктивный WE-CBF 742792625 Wurth Elektronik", Type=BLM18PG121SN1D
R1: library part R0603, "Чип-резистор 33,2 кОм 1% 0603", Type="Чип-резистор 0603"
R2 R4: library part R0402, "Чип-резистор 10 кОм 1% 0402", Type="Чип-резистор 0402"
R3: library part R0603, "Чип-резистор 13,7 кОм 1% 0603", Type="Чип-резистор 0603"
R5 R9 R10 R11 R12 R13 R16 R33 R34 R35 R59 R82 R105 R131 R132: library part R0201, "Чип-резистор 1 кОм 5% 0201", Type="Чип-резистор 0201"
R6 R7 R8 R23 R24: library part R0201, "Чип-резистор 10 Ом 5% 0201", Type="Чип-резистор 0201"
R14 R15 R17 R18 R25 R26 R28 R36 R38 R39 R40 R41 R60 R62 R63 R64 R65 R83 R85 R86 R87 R88 R106 R108 R109 R110 R111 R128 R129: library part R0201, "Чип-резистор 4,7 кОм 5% 0201", Type="Чип-резистор 0201"
R19 R20 R21 R22: library part R0201_tooth, "Чип-резистор 33 Ом 1% 0201", Type="Чип-резистор 0201"
R27: library part R0603, "Чип-резистор 4,99 кОм 1% 0603", Type="Чип-резистор 0603"
R29 R30 R31 R32: library part R0402, "Чип-резистор 330 Ом 5% 0402", Type="Чип-резистор 0402"
R37 R61 R84 R107: library part R0402, "Чип-резистор 11,8 кОм 1% 0402", Type="Чип-резистор 0402"
R42 R47 R52 R53 R66 R71 R76 R77 R89 R94 R99 R100 R112 R117 R122 R123: library part R0805, "Чип-резистор 49,9 Ом 1% 0805", Type="Чип-резистор 0805"
R43 R45 R48 R50 R67 R69 R72 R74 R90 R92 R95 R97 R113 R115 R118 R120: library part R0805, "Чип-резистор 130 Ом 5% 0805", Type="Чип-резистор 0805"
R44 R46 R49 R51 R68 R70 R73 R75 R91 R93 R96 R98 R114 R116 R119 R121: library part R0805, "Чип-резистор 82 Ом 5% 0805", Type="Чип-резистор 0805"
R54 R55 R56 R58 R78 R79 R80 R81 R101 R102 R103 R104 R124 R125 R126 R127: library part R0402, "Чип-резистор 49,9 Ом 1% 0402", Type="Чип-резистор 0402"
R57: library part R1206, "Чип-резистор 9,1 МОм 1%(5%) 1206", Type="Чип-резистор 1206"
R130: library part R0201, "Чип-резистор 0 Ом 5% 0201", Type="Чип-резистор 0201"
S1 S2 S3 S4: library part LM34-A3S-PI-N_holeless, "Приёмопередатчик оптический SFF"
VD1: "Диод TVS симметричный SMAJ15CA SMA (DO-214AC)"
VD2: "Диодная сборка с общим анодом BAT54A SOT-23"
VD3: "Диодная сброка ESD защиты WE-TVS 824014881 Wurth Elektronik"
X1: library part WR-PHD_62330821021, "Разъём-гнездо 8 контаков (2х4) шаг 1,27 мм поверхн. монтаж WR-PHD 62330821021"
X2: library part MOLEX_76861_1120_SLOT, "Слот для разъёма AMPHENOL CE1204000110111"
XT1 XT2 XT3 XT4: library part 7315, "Контакт заземления на плату WP-SMRA 7466313", ComponentLink1Description="Сайт производителя", ComponentLink1URL=https://www.we-online.com/web/en/wuerth_elektronik/start.php, ComponentLink2Description="ГОСТ 16840-78", ComponentLink2URL="\\JSERV\SQLEXPRESS\CmpDB\DocLibrary\ГОСТ\ГОСТ 16840-78 Лепестки штырьковые. Конструкция и размеры.pdf", ID=7315, Группа=Соединители, Описание="Контакт заземления на плату WP-SMRA 7466313", Производитель="Wurth Elektronik", Серия=WP-SMRA, Тип="Соединители прочие", УсловноеОбозначение=7466313

## Via types
v1: diameter 0.6, hole 0.3, Top Layer to Bottom Layer, tented both sides, 421 vias
v2: diameter 0.6, hole 0.3, Top Layer to Bottom Layer, tented bottom, 9 vias
v3: diameter 0.65, hole 0.3, Top Layer to Bottom Layer, tented both sides, 1 vias

## Nets (pads, with @x,y where several pads share a name; then routed paths per layer and width w, separated by ;. In a path a pad name is that pad's centre, name@x,y a point inside that pad or via, vN(x,y) a via of type N, cw(c..) or ccw(c..) an arc to the next point about the centre after c; other vN are vias at no path point)
1G_TXRX_A_N: C55.2 X2.36 | length 28.7
  Top Layer w0.15: v1(63.15,24.6) 63.15,25.275 C55.2@63.175,25.3
  Bottom Layer w0.119: v1(63.15,24.6) 62.88,24.87 62.88,25.401 64.549,27.07 72.72,27.07 73.55,27.9 73.55,29.071 80.495,36.016 83.49,36.016 83.56,35.946 83.56,35.941 83.75,35.75 X2.36@84.75,35.75
1G_TXRX_A_P: C51.2 X2.38 | length 29.2
  Top Layer w0.15: v1(62.35,24.6) 62.525,24.775 C51.2@62.525,25.3
  Bottom Layer w0.119: v1(62.35,24.6) 62.612,24.862 62.612,25.512 64.438,27.338 72.609,27.338 73.282,28.011 73.282,29.182 80.384,36.284 83.49,36.284 83.56,36.354 83.56,36.36 83.75,36.55 X2.38@84.75,36.55
1G_TXRX_B_N: C56.2 X2.32 | length 25.7
  Top Layer w0.15: v1@64.45,24.8 64.45,25.275 C56.2@64.475,25.3
  Bottom Layer w0.119: v1@64.45,24.45 64.605,24.45 66.774,26.619 73.269,26.619 74.3,27.65 74.3,29.15 79.034,33.884 83.49,33.884 83.56,33.954 83.56,33.96 83.75,34.15 X2.32@84.75,34.15
  other v1: 64.5,24.7
1G_TXRX_B_P: C52.2 X2.30 | length 27
  Top Layer w0.199: v1(63.825,24.125) C52.2@63.825,25.3
  Bottom Layer w0.119: v1@63.825,24.182 64.716,24.182 66.885,26.351 73.38,26.351 74.568,27.539 74.568,29.039 79.145,33.616 83.49,33.616 83.56,33.546 83.56,33.54 83.75,33.35 X2.30@84.75,33.35
1G_TXRX_C_N: C57.2 X2.24 | length 24.1
  Top Layer w0.15: C57.2@65.775,25.3 65.85,25.225 65.85,25.112 65.85,24.471 66.071,24.25 v1@66.15,24.25
  Bottom Layer w0.119: v1@65.937,24.152 65.92,24.168 65.92,24.535 66.968,25.582 74.011,25.582 75.518,27.089 75.518,28.289 78.445,31.216 83.49,31.216 83.56,31.146 83.56,31.14 83.75,30.95 X2.24@84.75,30.95
  other v1: 66.1,24.15